# Altium PCB minibot_v1.PcbDoc (part 1 of 2)
Units mm, origin at the board's own origin, x right, y up, seen from the top; angles counter-clockwise.
Board outline 80 x 98 mm, 6 copper layers (Top Layer, GND, PWR, SIG2, GND2, Bottom Layer), stack 1.583 mm thick; 97 components, 104 nets, 461 pads, 159 vias.
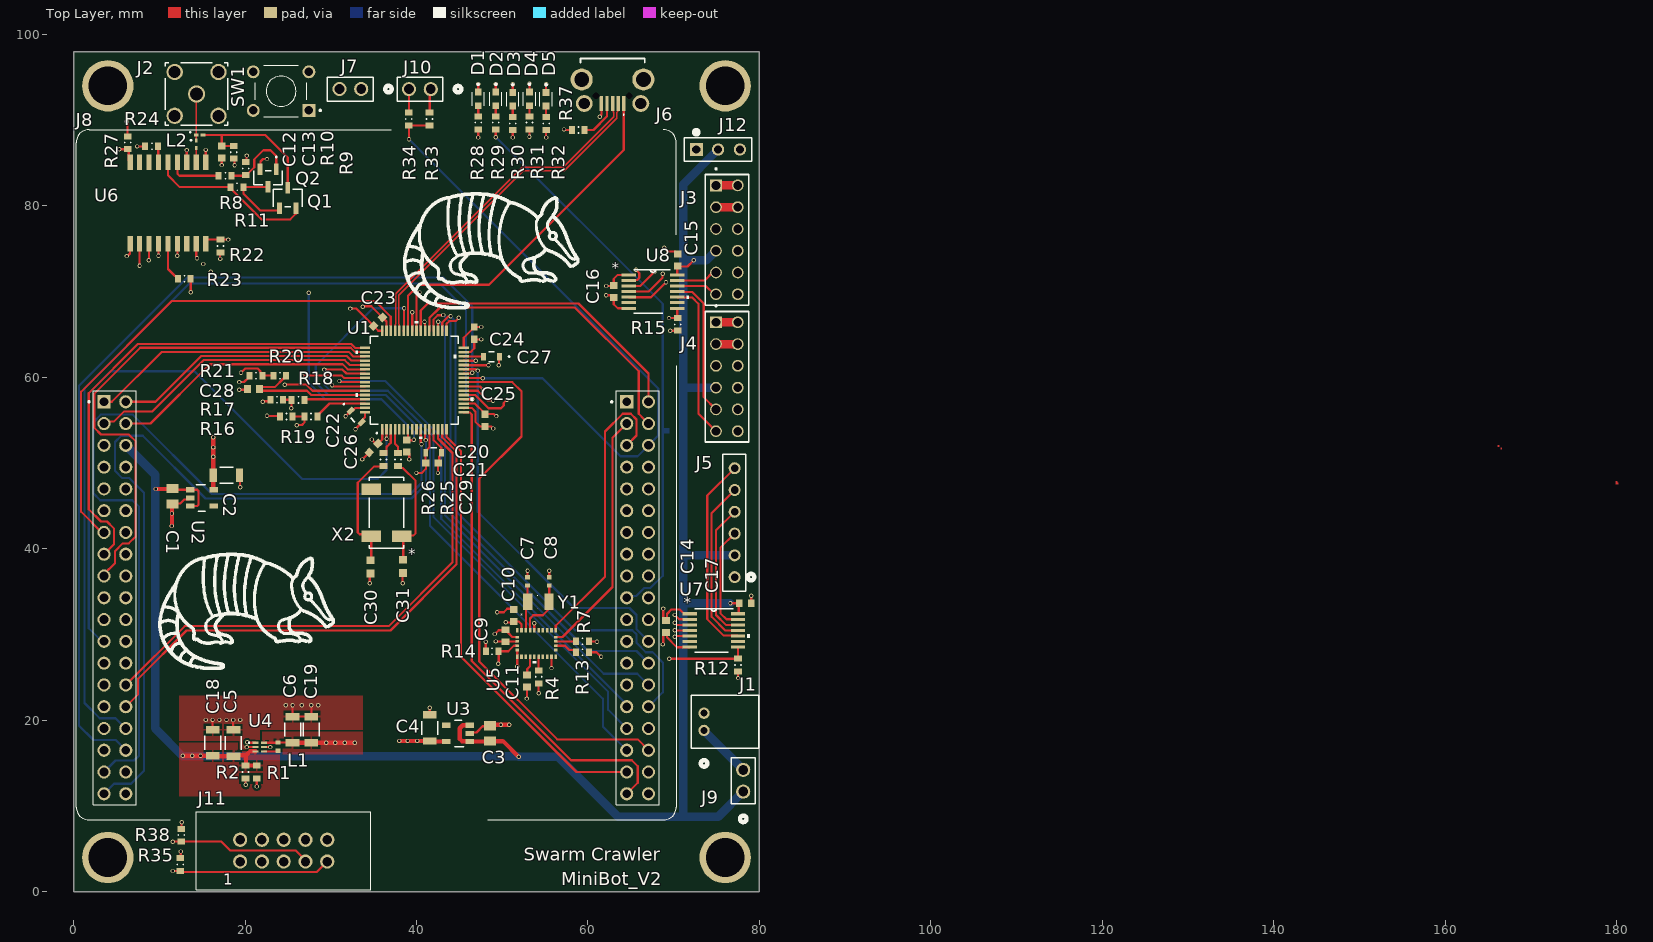
[diagram p0: Top Layer view]
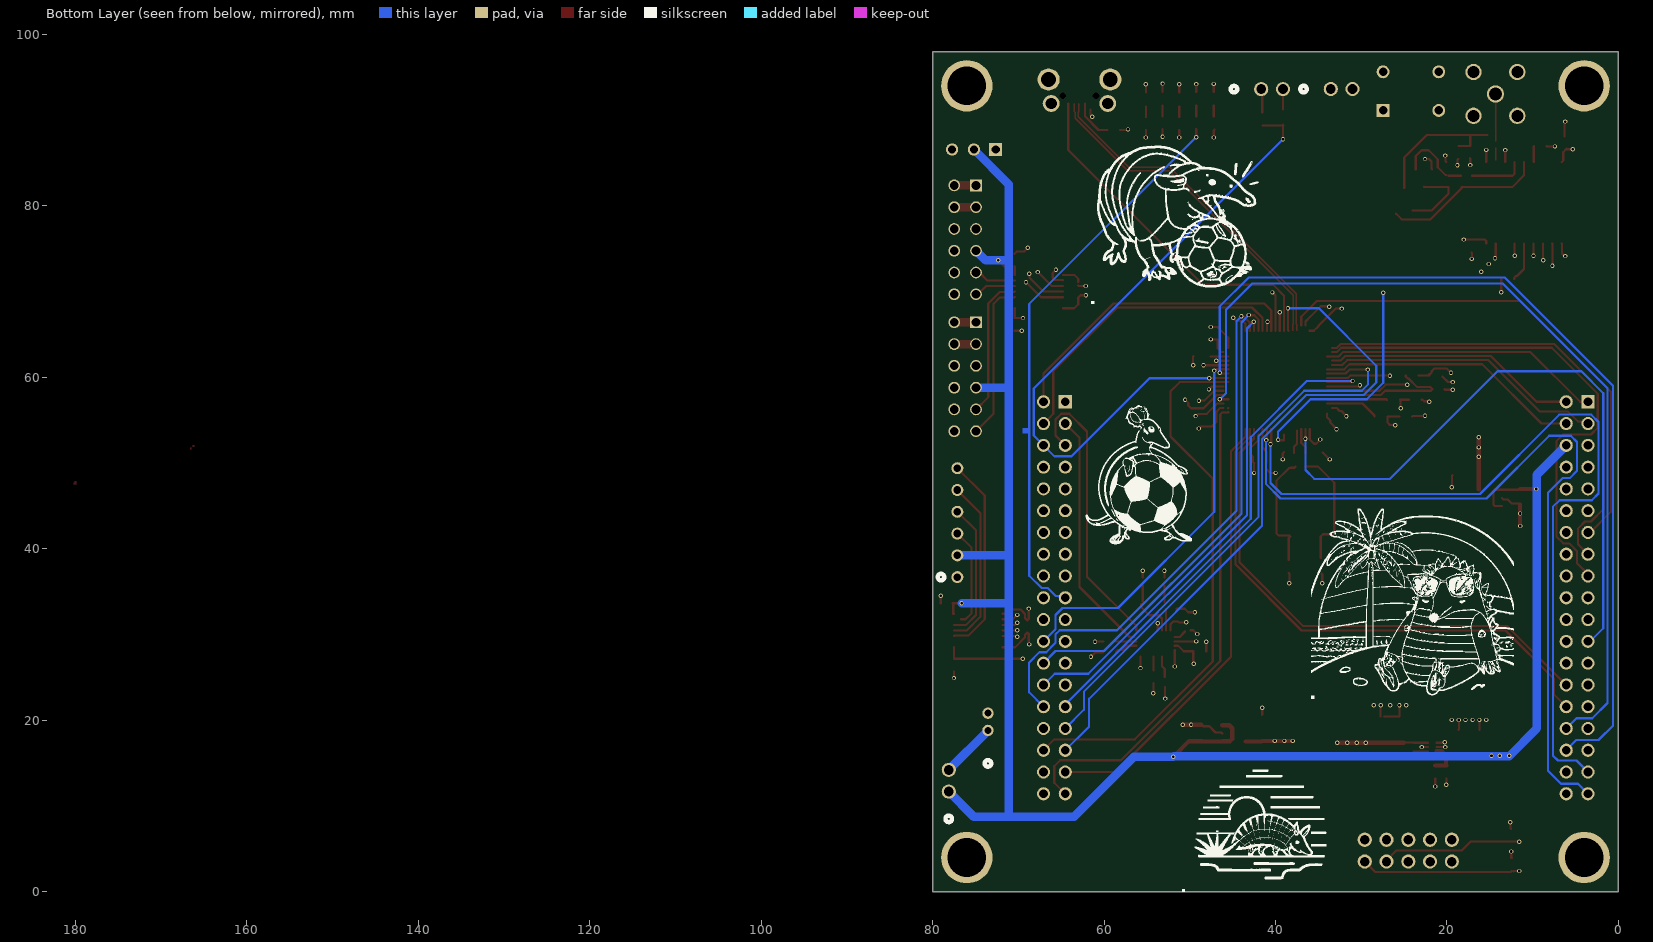
[diagram p1: Bottom Layer view, seen from below]
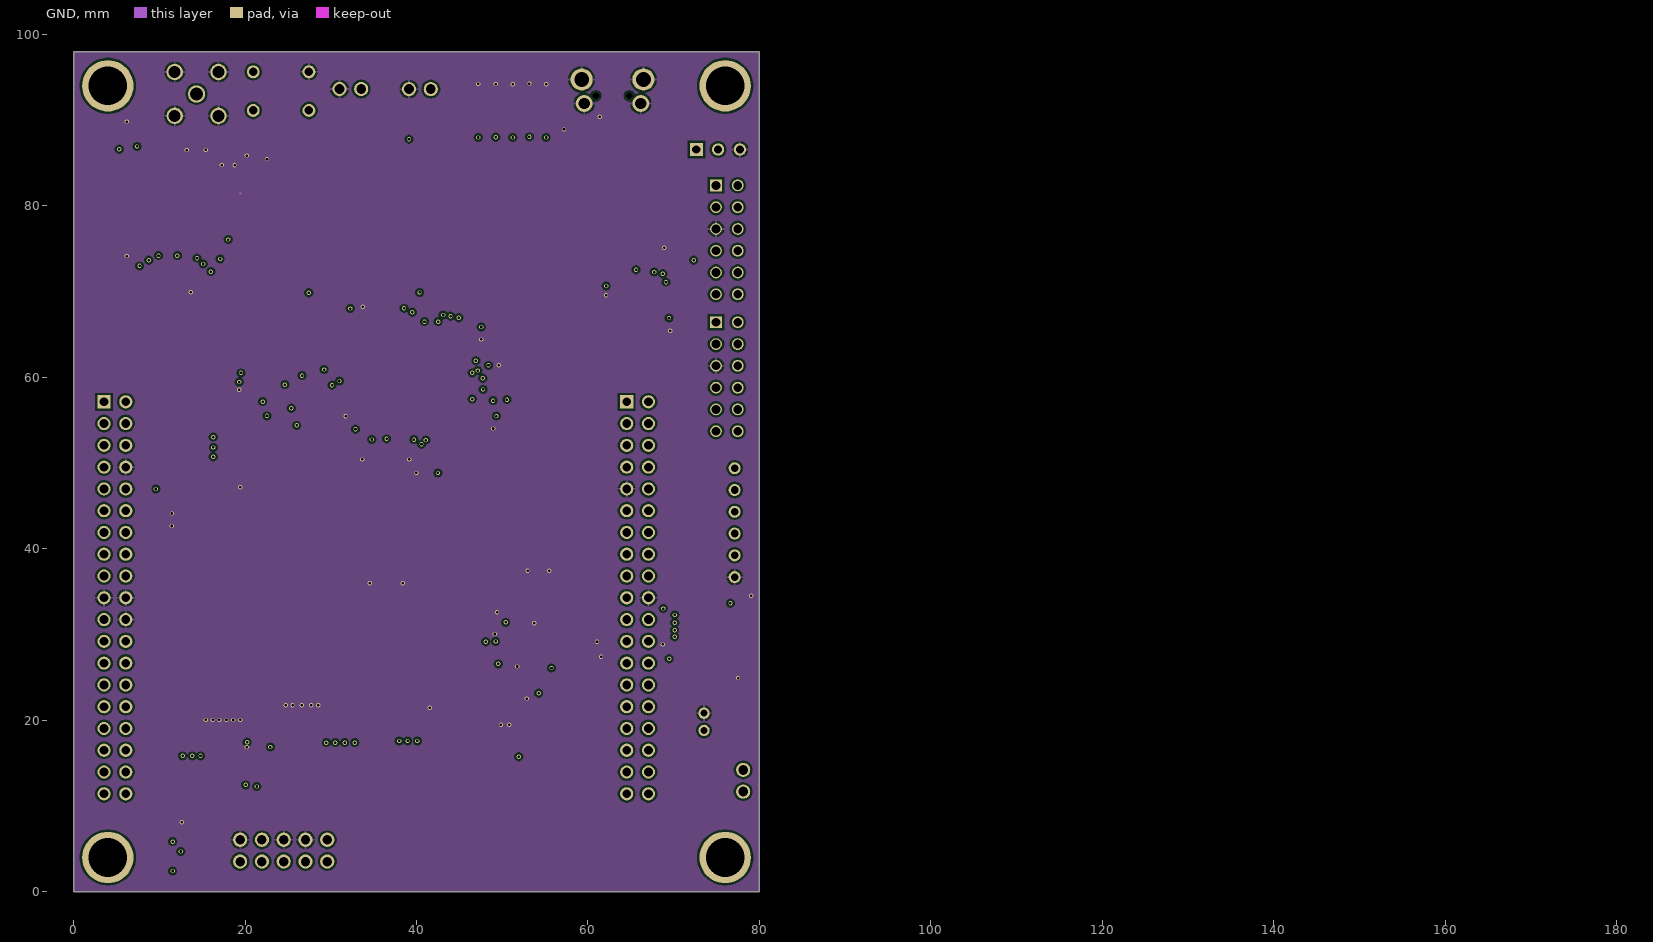
[diagram p2: GND]
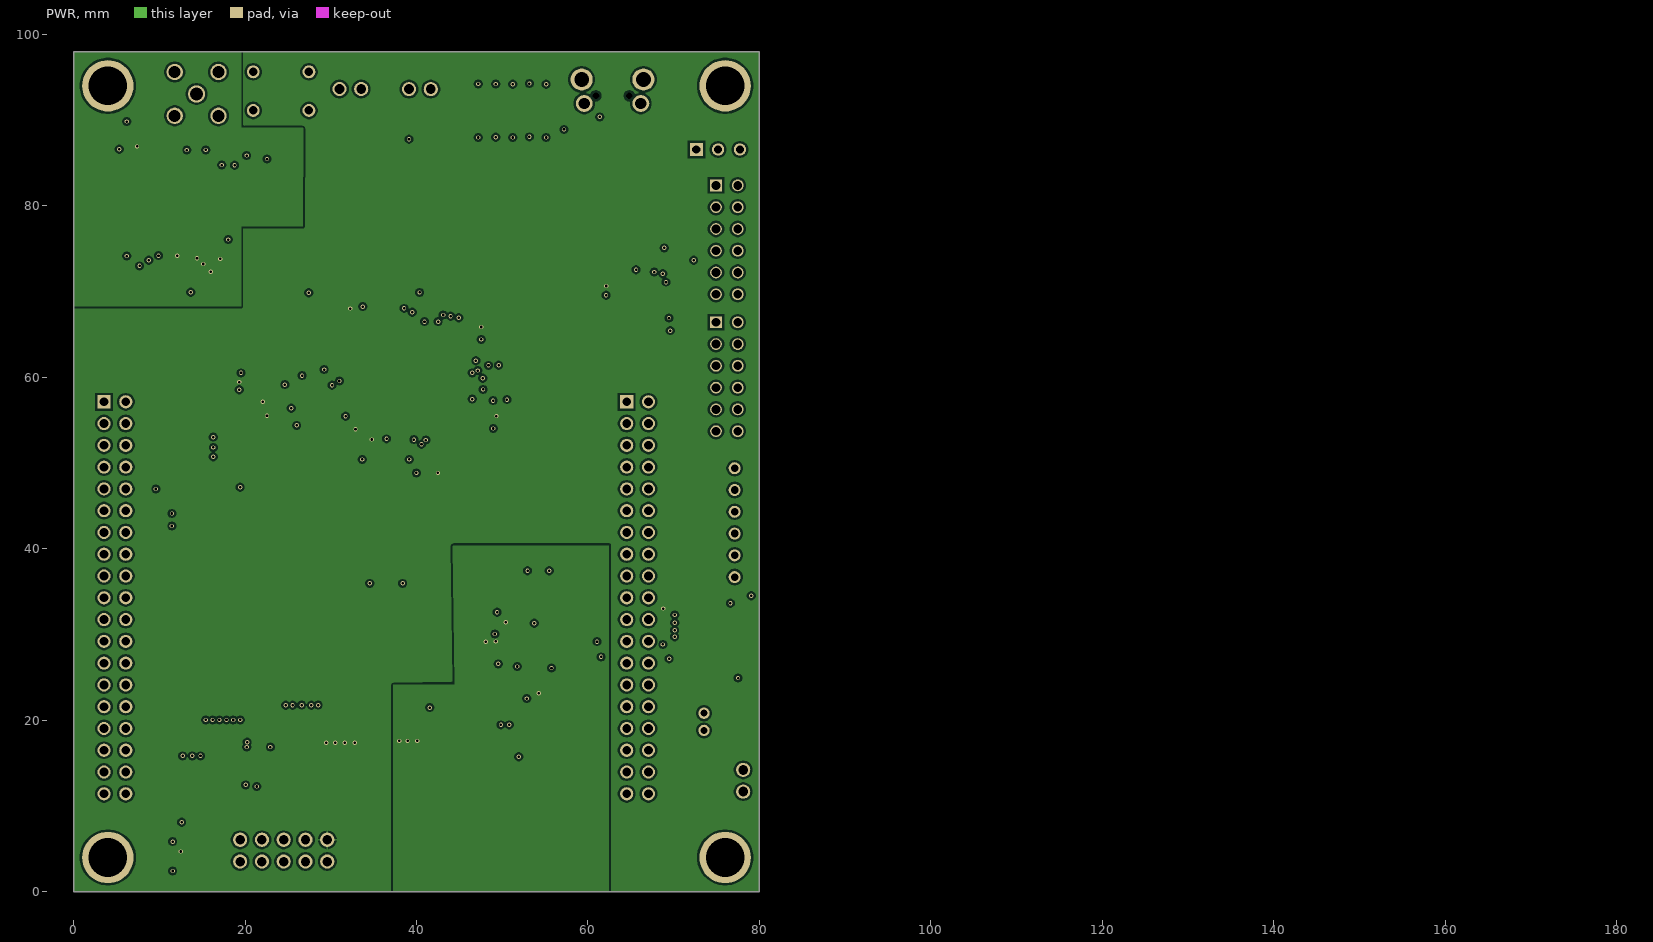
[diagram p3: PWR]
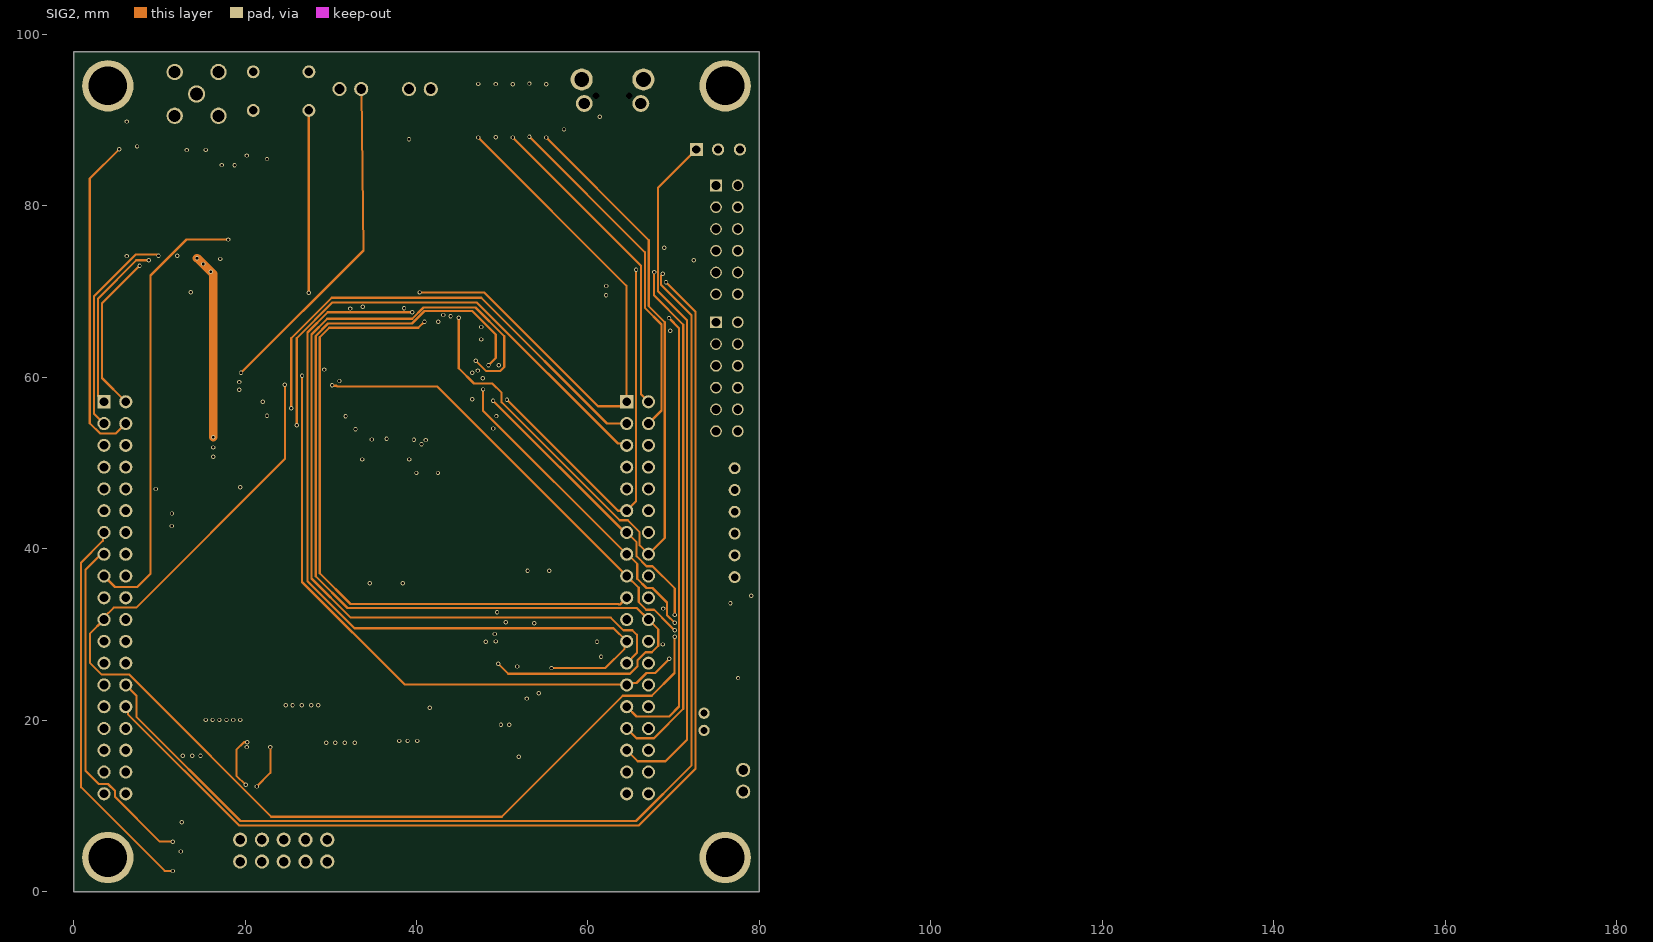
[diagram p4: SIG2]
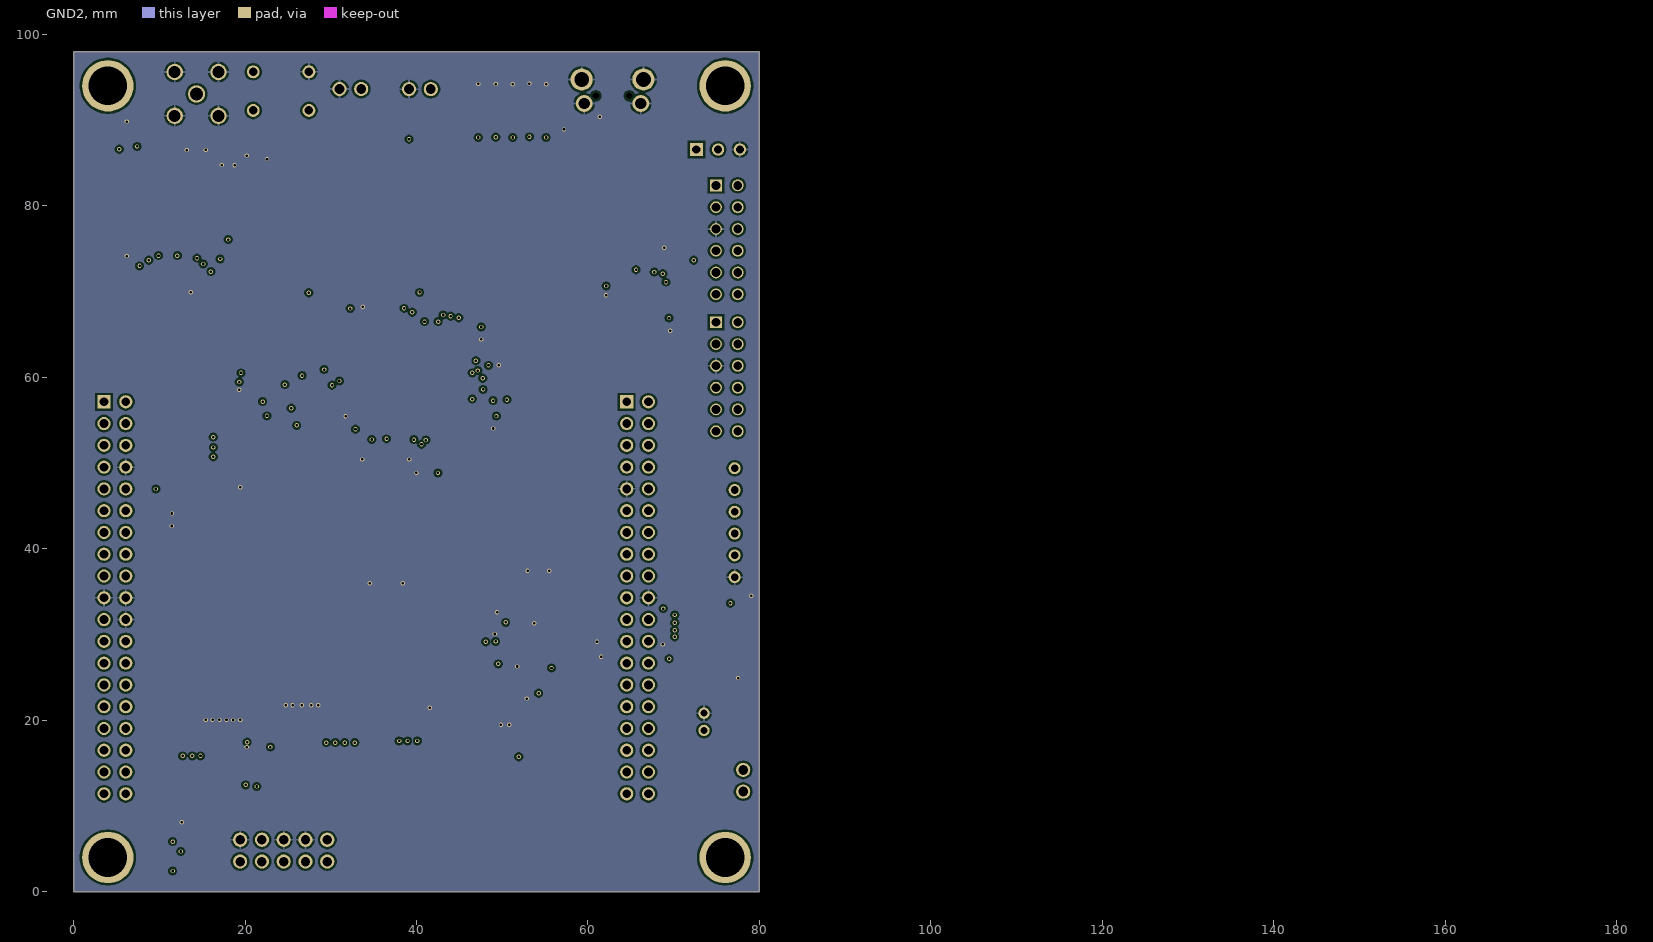
[diagram p5: GND2]

## Layer stack, top to bottom
Top Solder: solder mask 0.0102, Solder Resist, Dk 3.5
Top Layer: signal copper 0.0356
Dielectric 1: prepreg 0.2032, PP-006, Dk 4.1
GND: signal copper 0.035
Dielectric 2: core 0.381, PP-006, Dk 4.8
PWR: signal copper 0.035
Dielectric 3: prepreg 0.2032, FR-4, Dk 4.1
SIG2: signal copper 0.035
Dielectric 4: core 0.381, PP-006, Dk 4.8
GND2: signal copper 0.035
Dielectric 5: prepreg 0.2032, PP-006, Dk 4.1
Bottom Layer: signal copper 0.0356
Bottom Solder: solder mask 0.0102, Solder Resist, Dk 3.5

## Board outline
0,0 80,0 80,98 0,98

## Design rules (kind name [scope] priority, off if disabled: settings)
Clearance [All] p1: gap=0.254 ignorepadtopadclearanceinfootprint=FALSE except(0: Arc-Hole Track-Hole SMDPad-Hole THPad-Hole Via-Hole Fill-Hole Poly-Hole Region-Hole Text-Hole; 0.127: Arc-Arc Arc-Track Track-Track SMDPad-SMDPad; 0.152: SMDPad-Via; 0.2: Arc-SMDPad Track-SMDPad; 0.33: Arc-THPad Track-THPad; 0.5: THPad-THPad)
DiffPairsRouting [All] p1: maxlimit=0.254 minlimit=0.254 mostfreqgap=0.254 toplayer_mingap=0 toplayer_prefgap=0.127 toplayer_minwidth=0 toplayer_maxwidth=0.381 toplayer_prefwidth=0.254 midlayer1_minwidth=0.381 midlayer1_maxwidth=0.381 midlayer1_prefwidth=0.381 midlayer2_minwidth=0.381 midlayer2_maxwidth=0.381 midlayer2_prefwidth=0.381 midlayer3_minwidth=0.381 midlayer3_maxwidth=0.381 midlayer3_prefwidth=0.381 midlayer4_minwidth=0.381 midlayer4_maxwidth=0.381 midlayer4_prefwidth=0.381 bottomlayer_mingap=0 bottomlayer_minwidth=0 bottomlayer_maxwidth=0.381 bottomlayer_prefwidth=0.381 maxuncoupledlength=12.7
HoleSize HoleSize_2 [All] p1: absolutevalues=TRUE maxlimit=6.2 minlimit=0.2 maxpercent=80.000 minpercent=20.000
HoleSize [IsVia] p2: absolutevalues=TRUE maxlimit=6.2 minlimit=0.2 maxpercent=80.000 minpercent=20.000
MatchedLengths [All] p1: tolerance=25.4 checknetsindiffpair=TRUE checkdiffpairvsdiffpair=FALSE checkxsignals=FALSE checkothers=FALSE
MinimumAnnularRing [All] p1: minimumring=0.1
MinimumSolderMaskSliver [All] p1: minsoldermaskwidth=0.05
PolygonConnect [All] p1: thpad.connectstyle=Relief thpad.reliefconductorwidth=0.254 thpad.reliefentries=4 thpad.polygonreliefangle="90 Angle" thpad.airgapwidth=0.254 smdpad.connectstyle=Relief smdpad.reliefconductorwidth=0.254 smdpad.reliefentries=4 smdpad.polygonreliefangle="90 Angle" smdpad.airgapwidth=0.254 via.connectstyle=Direct via.reliefconductorwidth=0.254 via.reliefentries=4 via.polygonreliefangle="90 Angle" via.airgapwidth=0.254
RoutingVias [All] p1: holewidth=0.3 width=0.5 viastyle="Through Hole" minholewidth=0.2 minwidth=0.4 maxholewidth=6.35 maxwidth=6.35
SilkToSilkClearance [All] p1: silktosilkclearance=0.1
SolderMaskExpansion [All] p1: expansion=0.05 istentingtop=FALSE
Width [All] p1: maxlimit=1 minlimit=0.09 preferedwidth=0.254
26 further rules are at their usual default settings.

## Classes and differential pairs
component class Nucleo: J8
component class Sensor: C7 C8 C9 C10 C11 C12 C13 L2 Q1 Q2 R4 R7 R8 R9 R10 R11 R13 R14 R22 R23 R24 R27 U5 U6 Y1
component class Power: C1 C2 C3 C4 C5 C6 C14 C15 C16 C17 C18 C19 L1 R1 R2 R12 R15 U2 U3 U4 U7 U8
component class microController: C20 C21 C22 C23 C24 C25 C26 C27 C28 C29 C30 C31 J7 R16 R17 R18 R19 R20 R21 R25 R26 SW1 U1 X2
component class Connectors: D1 D2 D3 D4 D5 J1 J2 J3 J4 J5 J6 J9 J10 J11 J12 R28 R29 R30 R31 R32 R33 R34 R35 R37 R38
differential pair D: +D_P -D_N

## Components (designator, comment, footprint, x,y, rotation, side; value= is the part's Value field where it differs from the comment)
C1 "GRM21BR71C475KE51L" CAP_GRM0805_2X1P25_MUR 11.525,46.128 r90 top
C2 "CL31B106KOHNNWE" CAP_CL31_SAM 17.834,48.578 r180 top
C3 "GRM21BR71C475KE51L" CAP_GRM0805_2X1P25_MUR 48.546,18.474 r270 top
C4 "CL31B106KOHNNWE" CAP_CL31_SAM 41.561,19.124 r270 top
C5 "CL31B106KOHNNWE" CAP_CL31_SAM 18.65,17.357 r270 top
C6 "CL31B106KOHNNWE" CAP_CL31_SAM 25.55,18.908 r270 top
C7 "CBR04C220F5GAC" CAPC10555_55N_KEM 52.95,36.204 r90 top
C8 "CBR04C220F5GAC" CAPC10555_55N_KEM 55.475,36.202 r90 top
C9 "0603" 1608[0603] 50.374,29.858 r270 top value=100nF
C10 "0603" 1608[0603] 51.354,32.212 r270 top value=120nF
C11 "0603" 1608[0603] 52.899,24.592 r90 top value=1uF
C12 "C0603C0G1E270J030BA" CAP_0603_TDK 14.313,87.184 r270 top
C13 "0603" 1608[0603] 17.284,86.275 r90 top value=27pF
C14 "0603" 1608[0603] 69.095,30.952 r90 top value=.1uF
C15 "0603" 1608[0603] 70.456,73.687 r270 top value=.1uF
C16 "0603" 1608[0603] 63.014,70.004 r90 top value=.1uF
C17 "0603" 1608[0603] 78.334,33.655 r180 top value=.1uF
C18 "no stuff" CAP_CL31_SAM 16.225,17.38 r270 top
C19 "no stuff" CAP_CL31_SAM 27.738,18.908 r270 top
C20 "C1608X5R1C105K080AA" CAP_1608_TDK 42,51.206 r0 top
C21 "CC0603KRX7R7BB104" CC0603N_YAG 41.817,50.025 r0 top
C22 "C1608X5R1C475K080AC" CAP_1608_TDK 32.968,55.43 r315 top
C23 "CC0603KRX7R7BB104" CC0603N_YAG 35.505,66.489 r225 top
C24 "CC0603KRX7R7BB104" CC0603N_YAG 46.736,65.151 r90 top
C25 "CC0603KRX7R7BB104" CC0603N_YAG 48.006,54.991 r90 top
C26 "CC0603KRX7R7BB104" CC0603N_YAG 35,51.75 r45 top
C27 "C1608X5R1C225K080AB" CAP_1608_TDK 48.756,62.42 r180 top
C28 "Cap Semi" 1608[0603] 20.989,58.629 r0 top value=10nF
C29 "Cap Semi" 1608[0603] 38.849,51.975 r90 top value=.1uF
C30 "GRM1885C1H4R3BA01D" CAPC1608X90N 34.644,37.901 r270 top
C31 "GRM1885C1H4R3BA01D" CAPC1608X90N 38.45,37.95 r270 top
D1 "150060SS75000" LED_150060SS75000 47.2,92.475 r270 top
D2 "150060SS75000" LED_150060SS75000 49.25,92.475 r270 top
D3 "150060SS75000" LED_150060SS75000 51.225,92.428 r270 top
D4 "150060SS75000" LED_150060SS75000 53.17,92.478 r270 top
D5 "150060SS75000" LED_150060SS75000 55.116,92.428 r270 top
J1 "S2B-PH-K-S(LF)(SN)" CONN_S2B-PH-K-S_JST 73.533,18.828 r90 top
J2 "RF2-04A-T-00-50-G" CONN_RF2-04A-T-00-50-G_ADM 14.351,93.054 r0 top
J3 "TSW-106-07-F-D" SAMTEC_TSW-106-07-F-D 76.2,76.036 r270 top
J4 "TSW-106-07-F-D" SAMTEC_TSW-106-07-F-D 76.2,60.071 r270 top
J5 "TSW-106-14-F-S" CON6_1X6_TU_TSW 77.102,43.053 r90 top
J6 "MCR-B-S-RA-SMT-CS14-T_R" MCRBSRASMTCS14TR 62.865,94.488 r180 top
J7 "61300211121" CONN_61300211121_WRE 33.55,93.625 r180 top
J8 "NUCLEO-F446RE" MODULE_NUCLEO-F446RE 35.306,47.64 r0 top locked
J9 "61300211121" CONN_61300211121_WRE 78.105,11.684 r90 top
J10 "61300211121" CONN_61300211121_WRE 41.665,93.613 r180 top
J11 "61201021621" 61201021621 24.511,4.8 r0 top
J12 "22284036" 22-28-4036_MOL 72.635,86.575 r180 top
L1 "1239AS-H-1R0M=P2" CAPC10555_55N_KEM 23.846,16.938 r90 top
L2 "MLG0603S36NJT000" IND_0603_TDK 14.7,88.25 r0 top
Q1 "AO3407A" SOT-23-3L_AOS 24.981,80.913 r0 top
Q2 "SMMBT3904LT1G" SOT-23-3_1P4X3P040_ONS 22.695,83.261 r180 top
R1 "0603" J1-0603 21.375,13.975 r90 top value=100K
R2 "0603" J1-0603 20.05,13.975 r270 top value=470k
R4 "0603" J1-0603 54.246,25.064 r270 top value=10K
R7 "0603" J1-0603 59.34,29.21 r180 top value=0
R8 "0603" J1-0603 17.684,83.522 r180 top value=2K
R9 "0603" J1-0603 20.086,84.361 r270 top value=2.4K
R10 "0603" J1-0603 18.675,86.25 r90 top value=1M
R11 "0603" J1-0603 19.081,82.183 r180 top value=1M
R12 "0603" J1-0603 77.495,26.45 r90 top value=1.4K
R13 "0603" J1-0603 59.352,27.94 r180 top value=0
R14 "0603" J1-0603 48.832,28.054 r180 top value=10K
R15 "0603" J1-0603 70.456,66.194 r90 top value=1.4K
R16 "0603" J1-0603 24.803,55.441 r180 top value=1.4k
R17 "0603" J1-0603 23.7,57.397 r180 top value=1.4k
R18 "0603" J1-0603 26.198,57.371 r180 top value=33
R19 "0603" J1-0603 27.703,55.441 r180 top value=33
R20 "0603" J1-0603 24.053,60.198 r0 top value=100
R21 "0603" J1-0603 21.289,60.198 r180 top value=10k
R22 "Res3" J1-0603 17.145,75.311 r270 top value=10K
R23 "Res3" J1-0603 12.913,71.501 r180 top value=10K
R24 "Res3" J1-0603 9.113,86.955 r0 top value=10K
R25 "Res3" J1-0603 37.849,50.425 r270 top value=0K
R26 "Res3" J1-0603 36.153,50.425 r270 top value=0K
R27 "0603" J1-0603 6.313,87.358 r270 top value=10k
R28 "Res3" J1-0603 47.202,89.681 r90 top value=1K
R29 "Res3" J1-0603 49.25,89.681 r90 top value=1K
R30 "Res3" J1-0603 51.225,89.609 r90 top value=1K
R31 "Res3" J1-0603 53.17,89.684 r90 top value=1K
R32 "Res3" J1-0603 55.116,89.609 r90 top value=1K
R33 "Res3" J1-0603 41.522,90.125 r270 top value=220K